# Altium PCB Kasli-DIOT.PCBDOC (part 2 of 21)
Units mm, origin at the board's own origin, x right, y up, seen from the top; angles counter-clockwise.
Board outline 222.34 x 100 mm, 10 copper layers (TopLayer, Layer 2, Layer 3, Layer 4, Layer 5, Layer 6, Layer 7, layer 8, Layer 9, BottomLayer), stack 1.564 mm thick; 974 components, 908 nets, 4662 pads, 2649 vias.
Unrouted connection lines stored in the file: 17.
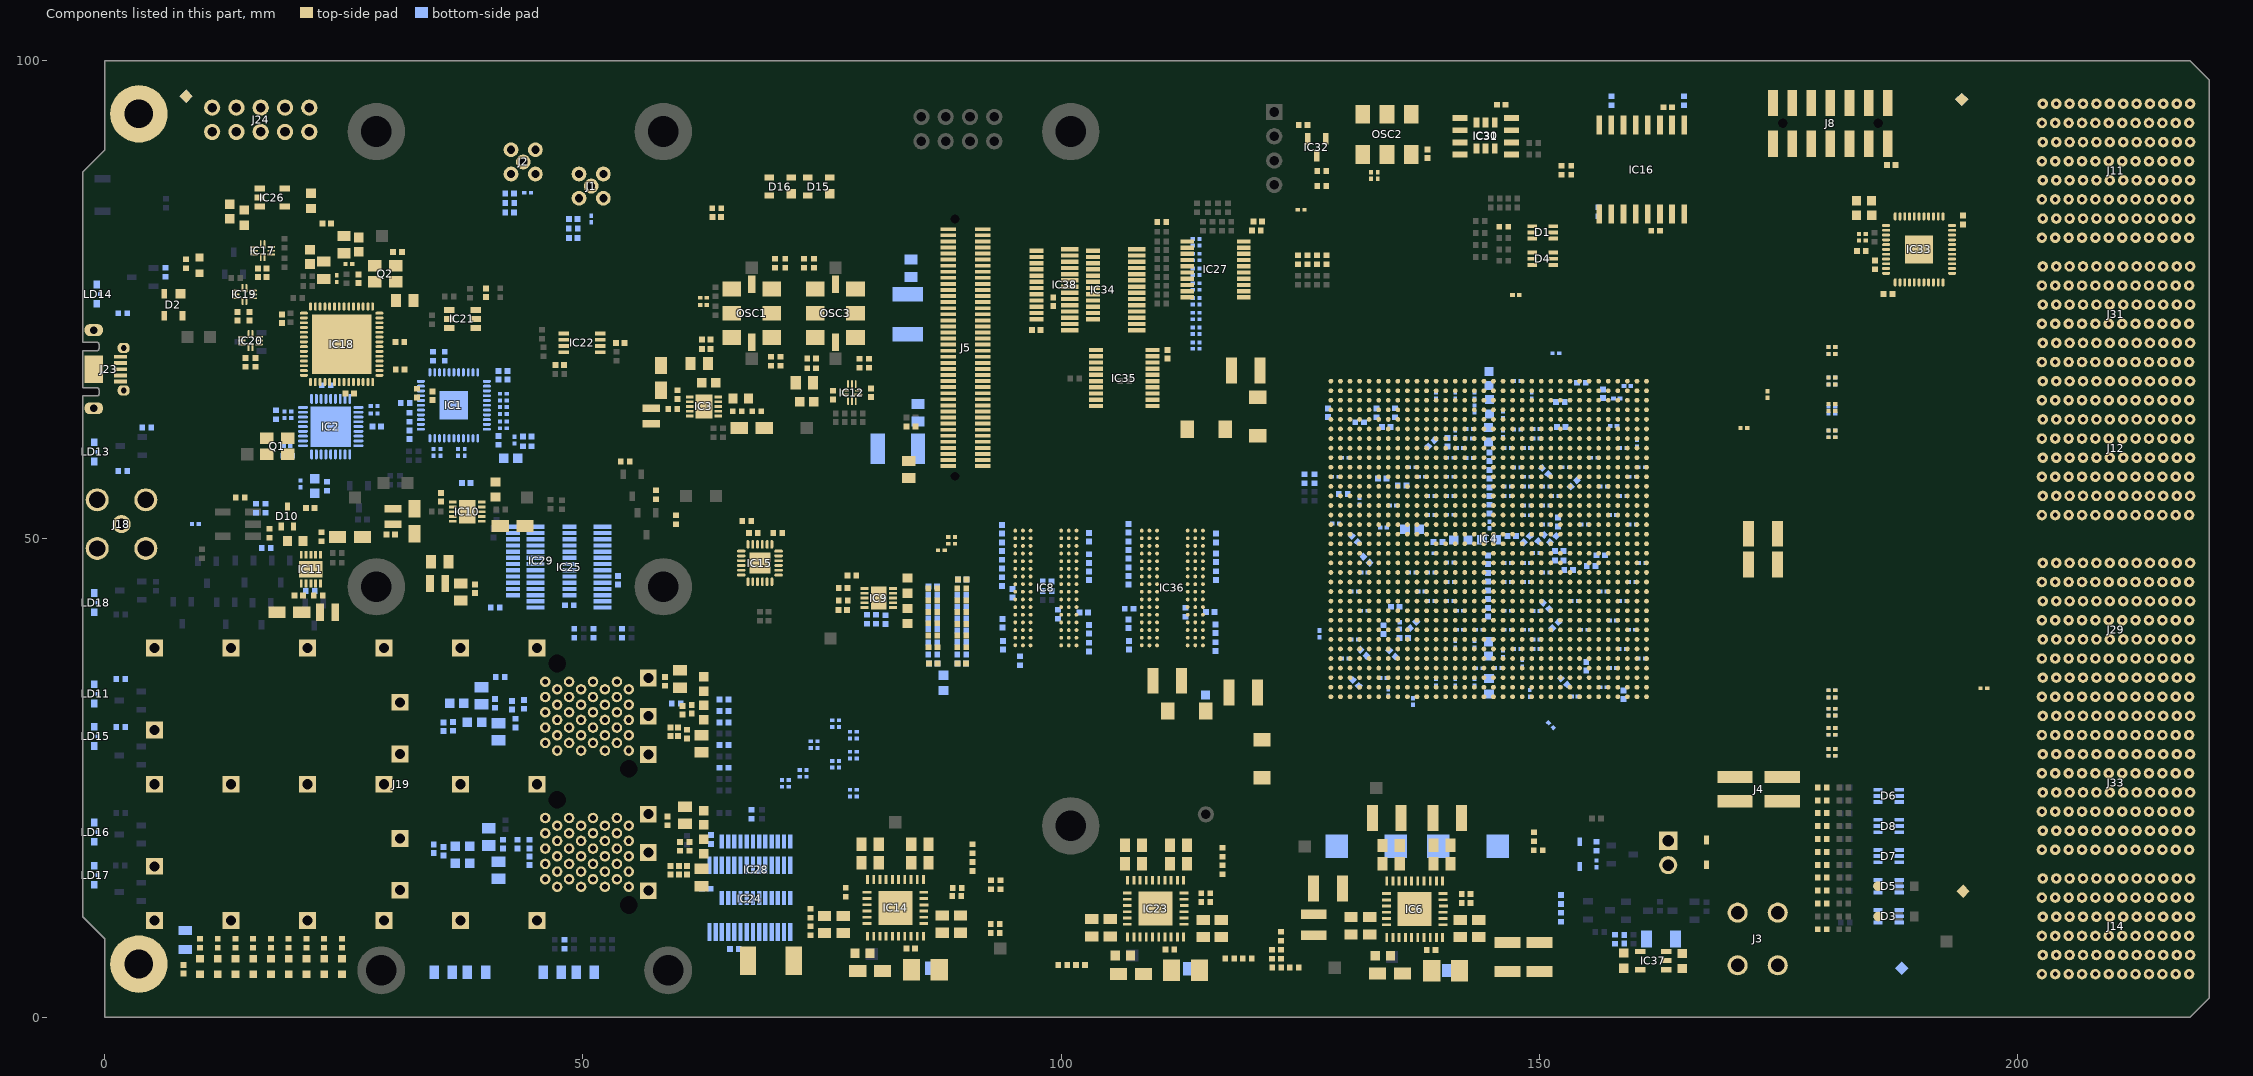
[diagram p10: the components of this part, seen from the top]

## Classes and differential pairs (continued)
differential pair SLOT6.LVDS_9: +SLOT6.LVDS_9_P -SLOT6.LVDS_9_N
differential pair SLOT6.LVDS_8: +SLOT6.LVDS_8_P -SLOT6.LVDS_8_N
differential pair SLOT6.LVDS_7: +SLOT6.LVDS_7_P -SLOT6.LVDS_7_N
differential pair SLOT6.LVDS_6: +SLOT6.LVDS_6_P -SLOT6.LVDS_6_N
differential pair SLOT6.LVDS_5: +SLOT6.LVDS_5_P -SLOT6.LVDS_5_N
differential pair SLOT6.LVDS_4: +SLOT6.LVDS_4_P -SLOT6.LVDS_4_N
differential pair SLOT6.LVDS_3: +SLOT6.LVDS_3_P -SLOT6.LVDS_3_N
differential pair SLOT6.LVDS_2: +SLOT6.LVDS_2_P -SLOT6.LVDS_2_N
differential pair SLOT6.LVDS_1: +SLOT6.LVDS_1_P -SLOT6.LVDS_1_N
differential pair SLOT6.LVDS_0: +SLOT6.LVDS_0_P -SLOT6.LVDS_0_N
differential pair SLOT5.LVDS_15: +SLOT5.LVDS_15_P -SLOT5.LVDS_15_N
differential pair SLOT5.LVDS_14: +SLOT5.LVDS_14_P -SLOT5.LVDS_14_N
differential pair SLOT5.LVDS_13: +SLOT5.LVDS_13_P -SLOT5.LVDS_13_N
differential pair SLOT5.LVDS_12: +SLOT5.LVDS_12_P -SLOT5.LVDS_12_N
differential pair SLOT5.LVDS_11: +SLOT5.LVDS_11_P -SLOT5.LVDS_11_N
differential pair SLOT5.LVDS_10: +SLOT5.LVDS_10_P -SLOT5.LVDS_10_N
differential pair SLOT5.LVDS_9: +SLOT5.LVDS_9_P -SLOT5.LVDS_9_N
differential pair SLOT5.LVDS_8: +SLOT5.LVDS_8_P -SLOT5.LVDS_8_N
differential pair SLOT5.LVDS_7: +SLOT5.LVDS_7_P -SLOT5.LVDS_7_N
differential pair SLOT5.LVDS_6: +SLOT5.LVDS_6_P -SLOT5.LVDS_6_N
differential pair SLOT5.LVDS_5: +SLOT5.LVDS_5_P -SLOT5.LVDS_5_N
differential pair SLOT5.LVDS_4: +SLOT5.LVDS_4_P -SLOT5.LVDS_4_N
differential pair SLOT5.LVDS_3: +SLOT5.LVDS_3_P -SLOT5.LVDS_3_N
differential pair SLOT5.LVDS_2: +SLOT5.LVDS_2_P -SLOT5.LVDS_2_N
differential pair SLOT5.LVDS_1: +SLOT5.LVDS_1_P -SLOT5.LVDS_1_N
differential pair SLOT5.LVDS_0: +SLOT5.LVDS_0_P -SLOT5.LVDS_0_N
differential pair SLOT4.LVDS_15: +SLOT4.LVDS_15_P -SLOT4.LVDS_15_N
differential pair SLOT4.LVDS_14: +SLOT4.LVDS_14_P -SLOT4.LVDS_14_N
differential pair SLOT4.LVDS_13: +SLOT4.LVDS_13_P -SLOT4.LVDS_13_N
differential pair SLOT4.LVDS_12: +SLOT4.LVDS_12_P -SLOT4.LVDS_12_N
differential pair SLOT4.LVDS_11: +SLOT4.LVDS_11_P -SLOT4.LVDS_11_N
differential pair SLOT4.LVDS_10: +SLOT4.LVDS_10_P -SLOT4.LVDS_10_N
differential pair SLOT4.LVDS_9: +SLOT4.LVDS_9_P -SLOT4.LVDS_9_N
differential pair SLOT4.LVDS_8: +SLOT4.LVDS_8_P -SLOT4.LVDS_8_N
differential pair SLOT4.LVDS_7: +SLOT4.LVDS_7_P -SLOT4.LVDS_7_N
differential pair SLOT4.LVDS_6: +SLOT4.LVDS_6_P -SLOT4.LVDS_6_N
differential pair SLOT4.LVDS_5: +SLOT4.LVDS_5_P -SLOT4.LVDS_5_N
differential pair SLOT4.LVDS_4: +SLOT4.LVDS_4_P -SLOT4.LVDS_4_N
differential pair SLOT4.LVDS_3: +SLOT4.LVDS_3_P -SLOT4.LVDS_3_N
differential pair SLOT4.LVDS_2: +SLOT4.LVDS_2_P -SLOT4.LVDS_2_N
differential pair SLOT4.LVDS_1: +SLOT4.LVDS_1_P -SLOT4.LVDS_1_N
differential pair SLOT4.LVDS_0: +SLOT4.LVDS_0_P -SLOT4.LVDS_0_N
differential pair SLOT3.LVDS_15: +SLOT3.LVDS_15_P -SLOT3.LVDS_15_N
differential pair SLOT3.LVDS_14: +SLOT3.LVDS_14_P -SLOT3.LVDS_14_N
differential pair SLOT3.LVDS_13: +SLOT3.LVDS_13_P -SLOT3.LVDS_13_N
differential pair SLOT3.LVDS_12: +SLOT3.LVDS_12_P -SLOT3.LVDS_12_N
differential pair SLOT3.LVDS_11: +SLOT3.LVDS_11_P -SLOT3.LVDS_11_N
differential pair SLOT3.LVDS_10: +SLOT3.LVDS_10_P -SLOT3.LVDS_10_N
differential pair SLOT3.LVDS_9: +SLOT3.LVDS_9_P -SLOT3.LVDS_9_N
differential pair SLOT3.LVDS_8: +SLOT3.LVDS_8_P -SLOT3.LVDS_8_N
differential pair SLOT3.LVDS_7: +SLOT3.LVDS_7_P -SLOT3.LVDS_7_N
differential pair SLOT3.LVDS_6: +SLOT3.LVDS_6_P -SLOT3.LVDS_6_N
differential pair SLOT3.LVDS_5: +SLOT3.LVDS_5_P -SLOT3.LVDS_5_N
differential pair SLOT3.LVDS_4: +SLOT3.LVDS_4_P -SLOT3.LVDS_4_N
differential pair SLOT3.LVDS_3: +SLOT3.LVDS_3_P -SLOT3.LVDS_3_N
differential pair SLOT3.LVDS_2: +SLOT3.LVDS_2_P -SLOT3.LVDS_2_N
differential pair SLOT3.LVDS_1: +SLOT3.LVDS_1_P -SLOT3.LVDS_1_N
differential pair SLOT3.LVDS_0: +SLOT3.LVDS_0_P -SLOT3.LVDS_0_N
differential pair SLOT2.LVDS_15: +SLOT2.LVDS_15_P -SLOT2.LVDS_15_N
differential pair SLOT2.LVDS_14: +SLOT2.LVDS_14_P -SLOT2.LVDS_14_N
differential pair SLOT2.LVDS_13: +SLOT2.LVDS_13_P -SLOT2.LVDS_13_N
differential pair SLOT2.LVDS_12: +SLOT2.LVDS_12_P -SLOT2.LVDS_12_N
differential pair SLOT2.LVDS_11: +SLOT2.LVDS_11_P -SLOT2.LVDS_11_N
differential pair SLOT2.LVDS_10: +SLOT2.LVDS_10_P -SLOT2.LVDS_10_N
differential pair SLOT2.LVDS_9: +SLOT2.LVDS_9_P -SLOT2.LVDS_9_N
differential pair SLOT2.LVDS_8: +SLOT2.LVDS_8_P -SLOT2.LVDS_8_N
differential pair SLOT2.LVDS_7: +SLOT2.LVDS_7_P -SLOT2.LVDS_7_N
differential pair SLOT2.LVDS_6: +SLOT2.LVDS_6_P -SLOT2.LVDS_6_N
differential pair SLOT2.LVDS_5: +SLOT2.LVDS_5_P -SLOT2.LVDS_5_N
differential pair SLOT2.LVDS_4: +SLOT2.LVDS_4_P -SLOT2.LVDS_4_N
differential pair SLOT2.LVDS_3: +SLOT2.LVDS_3_P -SLOT2.LVDS_3_N
differential pair SLOT2.LVDS_2: +SLOT2.LVDS_2_P -SLOT2.LVDS_2_N
differential pair SLOT2.LVDS_1: +SLOT2.LVDS_1_P -SLOT2.LVDS_1_N
differential pair SLOT2.LVDS_0: +SLOT2.LVDS_0_P -SLOT2.LVDS_0_N
differential pair SLOT1.LVDS_15: +SLOT1.LVDS_15_P -SLOT1.LVDS_15_N
differential pair SLOT1.LVDS_14: +SLOT1.LVDS_14_P -SLOT1.LVDS_14_N
differential pair SLOT1.LVDS_13: +SLOT1.LVDS_13_P -SLOT1.LVDS_13_N
differential pair SLOT1.LVDS_12: +SLOT1.LVDS_12_P -SLOT1.LVDS_12_N
differential pair SLOT1.LVDS_11: +SLOT1.LVDS_11_P -SLOT1.LVDS_11_N
differential pair SLOT1.LVDS_10: +SLOT1.LVDS_10_P -SLOT1.LVDS_10_N
differential pair SLOT1.LVDS_9: +SLOT1.LVDS_9_P -SLOT1.LVDS_9_N
differential pair SLOT1.LVDS_8: +SLOT1.LVDS_8_P -SLOT1.LVDS_8_N
differential pair SLOT1.LVDS_7: +SLOT1.LVDS_7_P -SLOT1.LVDS_7_N
differential pair SLOT1.LVDS_6: +SLOT1.LVDS_6_P -SLOT1.LVDS_6_N
differential pair SLOT1.LVDS_5: +SLOT1.LVDS_5_P -SLOT1.LVDS_5_N
differential pair SLOT1.LVDS_4: +SLOT1.LVDS_4_P -SLOT1.LVDS_4_N
differential pair SLOT1.LVDS_3: +SLOT1.LVDS_3_P -SLOT1.LVDS_3_N
differential pair SLOT1.LVDS_2: +SLOT1.LVDS_2_P -SLOT1.LVDS_2_N
differential pair SLOT1.LVDS_1: +SLOT1.LVDS_1_P -SLOT1.LVDS_1_N
differential pair SLOT1.LVDS_0: +SLOT1.LVDS_0_P -SLOT1.LVDS_0_N
differential pair MGTC8_Tx: +MGTC8_Tx_P -MGTC8_Tx_N
differential pair MGTC8_Rx: +MGTC8_Rx_P -MGTC8_Rx_N
differential pair MGTC7_Tx: +MGTC7_Tx_P -MGTC7_Tx_N
differential pair MGTC7_Rx: +MGTC7_Rx_P -MGTC7_Rx_N
differential pair MGTC6_Tx: +MGTC6_Tx_P -MGTC6_Tx_N
differential pair MGTC6_Rx: +MGTC6_Rx_P -MGTC6_Rx_N
differential pair MGTC5_Tx: +MGTC5_Tx_P -MGTC5_Tx_N
differential pair MGTC5_Rx: +MGTC5_Rx_P -MGTC5_Rx_N
differential pair MGTC4_Tx: +MGTC4_Tx_P -MGTC4_Tx_N
differential pair MGTC4_Rx: +MGTC4_Rx_P -MGTC4_Rx_N
differential pair MGTC3_Tx: +MGTC3_Tx_P -MGTC3_Tx_N
differential pair MGTC3_Rx: +MGTC3_Rx_P -MGTC3_Rx_N
differential pair MGTC2_Tx: +MGTC2_Tx_P -MGTC2_Tx_N
differential pair MGTC2_Rx: +MGTC2_Rx_P -MGTC2_Rx_N
differential pair MGTC1_Tx: +MGTC1_Tx_P -MGTC1_Tx_N
differential pair MGTC1_Rx: +MGTC1_Rx_P -MGTC1_Rx_N
differential pair MGT8_Tx: +MGT8_Tx_P -MGT8_Tx_N
differential pair MGT8_RxC: +MGT8_RxC_P -MGT8_RxC_N
differential pair MGT7_Tx: +MGT7_Tx_P -MGT7_Tx_N
differential pair MGT7_RxC: +MGT7_RxC_P -MGT7_RxC_N
differential pair MGT6_Tx: +MGT6_Tx_P -MGT6_Tx_N
differential pair MGT6_RxC: +MGT6_RxC_P -MGT6_RxC_N
differential pair MGT5_Tx: +MGT5_Tx_P -MGT5_Tx_N
differential pair MGT5_RxC: +MGT5_RxC_P -MGT5_RxC_N
differential pair MGT4_Tx: +MGT4_Tx_P -MGT4_Tx_N
differential pair MGT4_RxC: +MGT4_RxC_P -MGT4_RxC_N
differential pair MGT3_Tx: +MGT3_Tx_P -MGT3_Tx_N
differential pair MGT3_RxC: +MGT3_RxC_P -MGT3_RxC_N
differential pair MGT2_Tx: +MGT2_Tx_P -MGT2_Tx_N
differential pair MGT2_RxC: +MGT2_RxC_P -MGT2_RxC_N
differential pair MGT1_Tx: +MGT1_Tx_P -MGT1_Tx_N
differential pair MGT1_RxC: +MGT1_RxC_P -MGT1_RxC_N
differential pair DDR_DQS3: +DDR_DQS3_P -DDR_DQS3_N
differential pair DDR_DQS2: +DDR_DQS2_P -DDR_DQS2_N
differential pair DDR_DQS1: +DDR_DQS1_P -DDR_DQS1_N
differential pair DDR_DQS0: +DDR_DQS0_P -DDR_DQS0_N
differential pair DDR_CK: +DDR_CK_P -DDR_CK_N
differential pair 8_PE_CLK: +8_PE_CLK_P -8_PE_CLK_N
differential pair 7_PE_CLK: +7_PE_CLK_P -7_PE_CLK_N
differential pair 6_PE_CLK: +6_PE_CLK_P -6_PE_CLK_N
differential pair 5_PE_CLK: +5_PE_CLK_P -5_PE_CLK_N
differential pair 4_PE_CLK: +4_PE_CLK_P -4_PE_CLK_N
differential pair 3_PE_CLK: +3_PE_CLK_P -3_PE_CLK_N
differential pair 2_PE_CLK: +2_PE_CLK_P -2_PE_CLK_N
differential pair 1_PE_CLK: +1_PE_CLK_P -1_PE_CLK_N
differential pair SFP3_TD: +SFP3_TD_P -SFP3_TD_N
differential pair SFP3_RD: +SFP3_RD_P -SFP3_RD_N
differential pair SFP2_TD: +SFP2_TD_P -SFP2_TD_N
differential pair SFP2_RD: +SFP2_RD_P -SFP2_RD_N
differential pair SFP1_TD: +SFP1_TD_P -SFP1_TD_N
differential pair SFP1_RD: +SFP1_RD_P -SFP1_RD_N
differential pair SFP0_TD: +SFP0_TD_P -SFP0_TD_N
differential pair SFP0_RD: +SFP0_RD_P -SFP0_RD_N
differential pair Helper_DCXO: +Helper_DCXO_P -Helper_DCXO_N
differential pair CK_FPGAIO: +CK_FPGAIO_P -CK_FPGAIO_N
differential pair Main_DCXO: +Main_DCXO_P -Main_DCXO_N
differential pair Main_DCXO_C: +Main_DCXO_C_P -Main_DCXO_C_N
differential pair CK_GTP_125: +CK_GTP_125_P -CK_GTP_125_N
differential pair CKI_GTP: +CKI_GTP_P -CKI_GTP_N
differential pair CKI_FPGAIO: +CKI_FPGAIO_P -CKI_FPGAIO_N
differential pair CKIN0: +CKIN0_P -CKIN0_N
differential pair CLKREC: +CLKREC_P -CLKREC_N
differential pair USB_D_R: +USB_D_R_P -USB_D_R_N
differential pair CK_GTP: +CK_GTP_P -CK_GTP_N
differential pair CKOUT_D_1: +CKOUT_D_1_P -CKOUT_D_1_N
differential pair CKOUT_1: +CKOUT_1_P -CKOUT_1_N

## Components (designator, comment, footprint, x,y, rotation, side; value= is the part's Value field where it differs from the comment)
B28 "SMD Pad" C100 185.425,10.525 r90 top
B29 "SMD Pad" C100 185.4,13.7 r90 top
C1 "100nF" CAPC0603X33N#1 19.14,62.654 r0 bottom
C2 "100nF" CAPC0603X33N#1 19.14,63.341 r0 bottom
C3 "22uF" CAPC2012X135N 37.232,44.443 r90 top
C4 "100nF" CAPC0603X33N#1 36.937,59.05 r270 bottom
C5 "100nF" CAPC0603X33N#1 41.667,63.076 r0 bottom
C6 "100nF" CAPC0603X33N#1 37.637,59.05 r270 bottom
C7 "100nF" CAPC0603X33N#1 28.175,63.9 r0 bottom
C8 "100nF" CAPC0603X33N#1 34.371,59.05 r270 bottom
C9 "22uF" CAPMP3216X180N 58.15,66.85 r90 top
C10 "100nF" CAPC0603X33N#1 28.175,63.125 r0 bottom
C11 "100nF" CAPC0603X33N#1 35.096,59.05 r270 bottom
C12 "4.7uF" CAPC1005X55N 59.9,65.1 r270 top
C13 "22uF" CAPMP3216X180N 19.3,42.337 r180 top
C14 "100nF" CAPC0603X33N#1 41.667,63.782 r0 bottom
C15 "4.7uF" CAPC1005X55N 20.3,44.087 r0 top
C16 "22uF" CAPC1709X100N 66.5,64.7 r180 top
C17 "22uF" CAPC1709X100N 19.925,49.8 r0 top
C18 "22uF" CAPC2012X135N 35.025,47.6 r180 top
C19 "22uF" CAPMP3216X180N 67.65,61.6 r0 top
C20 "100nF" CAPC0603X33N#1 50.875,83.45 r90 bottom
C21 "100nF" CAPC0603X33N#1 44.225,86.2 r180 bottom
C22 "22uF" CAPC2012X135N 85.366,5.116 r180 bottom
C23 "1nF" CAPC1005X55N 19.15,58.7 r0 bottom
C24 "1uF" CAPC1005X55N 28.448,61.749 r180 bottom
C25 "100nF" CAPC0603X33N#1 19.05,59.717 r0 bottom
C26 "100nF" CAPC0603X33N#1 20.47,55.767 r90 bottom
C27 "22uF" CAPC2012X135N 139.45,4.875 r180 bottom
C28 "100nF" CAPC1005X55N 80.125,65.3 r270 top
C29 "100nF" CAPC1005X55N 76.125,65.05 r90 top
C30 "33uF" CAPMP3528X210N 140.2,4.874 r0 top
C31 "4.7uF" CAPC1005X55N 127.9,63.2 r270 bottom
C32 "10uF" CAPMP3216X180N 134.375,4.55 r180 top
C33 "4.7uF" CAPC1005X55N 158.8,33.7 r270 bottom
C34 "4.7uF" CAPC1005X55N 154.9,36.7 r90 bottom
C35 "4.7uF" CAPC1005X55N 133.562,56.325 r180 bottom
C36 "100nF" CAPC1005X55N 138.675,7.025 r180 top
C37 "4.7uF" CAPC1005X55N 131.2,62.2 r180 bottom
C38 "100nF" CAPC1005X55N 29.9,50.475 r0 top
C39 "4.7uF" CAPC1005X55N 134,61.7 r0 bottom
C40 "22uF" CAPC2012X135N 112.35,5.05 r180 bottom
C41 "100nF" CAPC0603X33N#1 114.109,71.429 r0 bottom
C42 "22uF" CAPC2012X135N 134.5,16.025 r0 top
C43 "10nF" CAPC1005X55N 49,81.474 r0 bottom
C44 "10nF" CAPC1005X55N 49,83.475 r0 bottom
C45 "22uF" CAPMP3216X180N 25.65,50.225 r0 top
C46 "10nF" CAPC1005X55N 42.325,84.124 r0 bottom
C47 "10nF" CAPC1005X55N 42.325,86.125 r0 bottom
C48 "22uF" CAPC2012X135N 139.824,16.033 r180 top
C49 "100nF" CAPC1005X55N 34.281,64.99 r270 top
C50 "22uF" CAPC1608X90N 115.075,32.925 r270 bottom
C51 "100nF" CAPC0603X33N#1 144.796,51.455 r90 bottom
C52 "100nF" CAPC1005X55N 186.776,89.081 r180 top
C53 "100nF" CAPC1005X55N 63.995,83.645 r180 top
C54 "100nF" CAPC0603X33N#1 114.109,74.517 r180 bottom
C55 "470nF" CAPC0603X33N#1 138.7,54.5 r0 bottom
C56 "100uF" CAPC3225X270N 146.674,6.29 r90 top
C57 "4.7uF" CAPC1005X55N 135.642,55.602 r0 bottom
C58 "4.7uF" CAPC1005X55N 152.3,61.7 r0 bottom
C59 "4.7uF" CAPC1005X55N 155.4,47.175 r180 bottom
C60 "470nF" CAPC0603X33N#1 157.7,36.5 r0 bottom
C61 "470nF" CAPC0603X33N#1 160.7,37.5 r0 bottom
C62 "470nF" CAPC0603X33N#1 133.7,51.2 r0 bottom
C63 "100nF" CAPC0603X33N#1 180.575,28.05 r0 top
C64 "470nF" CAPC0603X33N#1 155.75,58.5 r180 bottom
C65 "100uF" CAPC3225X270N 173.375,47.315 r180 top
C66 "4.7uF" CAPC1005X55N 151.67,40.985 r45 bottom
C67 "4.7uF" CAPC1005X55N 153.6,55.8 r225 bottom
C68 "470nF" CAPC0603X33N#1 134.7,53.5 r180 bottom
C69 "470nF" CAPC0603X33N#1 157.7,52.5 r180 bottom
C70 "100nF" CAPC0603X33N#1 180.575,27.325 r0 top
C71 "100nF" CAPC0603X33N#1 180.575,30.225 r0 top
C72 "100nF" CAPC0603X33N#1 180.575,29.525 r0 top
C73 "100nF" CAPC0603X33N#1 180.575,32.25 r0 top
C74 "100nF" CAPC0603X33N#1 180.575,34.175 r0 top
C75 "470nF" CAPC0603X33N#1 160.7,57.5 r0 bottom
C76 "470nF" CAPC0603X33N#1 153.7,43.5 r180 bottom
C77 "100nF" CAPC0603X33N#1 114.109,72.101 r0 bottom
C78 "4.7uF" CAPC1005X55N 156.4,48.3 r0 bottom
C79 "4.7uF" CAPC1005X55N 132.975,63.175 r90 bottom
C80 "470nF" CAPC0603X33N#1 131.2,53.95 r270 bottom
C81 "470nF" CAPC0603X33N#1 160.2,60 r90 bottom
C82 "470nF" CAPC0603X33N#1 129.7,58.5 r180 bottom
C83 "470nF" CAPC0603X33N#1 156.7,44.5 r180 bottom
C84 "100uF" CAPC3225X270N 173.375,50.54 r180 top
C85 "4.7uF" CAPC1005X55N 152.2,64.3 r0 bottom
C86 "4.7uF" CAPC1005X55N 136.8,41 r45 bottom
C87 "470nF" CAPC0603X33N#1 158.75,54.5 r0 bottom
C88 "470nF" CAPC0603X33N#1 159.75,51.5 r0 bottom
C89 "470nF" CAPC0603X33N#1 156.75,55.5 r180 bottom
C90 "470nF" CAPC0603X33N#1 158.75,59.5 r180 bottom
C91 "330uF" CAPMP7343X190N 131.9,17.875 r180 bottom
C92 "4.7uF" CAPC1005X55N 130.7,50 r315 bottom
C93 "4.7uF" CAPC1005X55N 138.7,60 r225 bottom
C94 "4.7uF" CAPC1005X55N 152.575,35.1 r315 bottom
C95 "470nF" CAPC0603X33N#1 140.7,54.5 r0 bottom
C96 "4.7uF" CAPC1005X55N 130.8,34.95 r135 bottom
C97 "470nF" CAPC0603X33N#1 148.2,37 r270 bottom
C98 "470nF" CAPC0603X33N#1 138.7,43.5 r0 bottom
C99 "470nF" CAPC0603X33N#1 148.725,53.5 r180 bottom
C100 "100nF" CAPC0603X33N#1 114.109,75.189 r180 bottom
C101 "22uF" CAPC1709X100N 144.752,34.6 r90 bottom
C102 "470nF" CAPC0603X33N#1 141.7,42.5 r0 bottom
C103 "470nF" CAPC0603X33N#1 140.7,56.5 r0 bottom
C104 "470nF" CAPC0603X33N#1 140.7,52.525 r0 bottom
C105 "470nF" CAPC0603X33N#1 146.7,47.5 r180 bottom
C106 "470nF" CAPC0603X33N#1 146.7,42.5 r180 bottom
C107 "470nF" CAPC0603X33N#1 146.7,45.5 r180 bottom
C108 "470nF" CAPC0603X33N#1 146.7,54.5 r180 bottom
C109 "4.7uF" CAPC1005X55N 134.625,38.025 r315 bottom
C110 "4.7uF" CAPC1005X55N 144.65,44.175 r90 bottom
C111 "4.7uF" CAPC1005X55N 144.65,42.35 r90 bottom
C112 "100nF" CAPC0603X33N#1 143.7,36.475 r180 bottom
C113 "100nF" CAPC0603X33N#1 149.7,38.5 r0 bottom
C114 "100nF" CAPC0603X33N#1 141.2,35 r90 bottom
C115 "100nF" CAPC0603X33N#1 143.2,35 r270 bottom
C116 "100nF" CAPC0603X33N#1 139.2,35 r90 bottom
C117 "470nF" CAPC0603X33N#1 138.7,52.5 r0 bottom
C118 "470nF" CAPC0603X33N#1 138.6,48.5 r0 bottom
C119 "470nF" CAPC0603X33N#1 138.7,46.5 r0 bottom
C120 "100nF" CAPC0603X33N#1 148.7,52.475 r180 bottom
C121 "470nF" CAPC0603X33N#1 148.7,45.5 r180 bottom
C122 "100nF" CAPC0603X33N#1 148.7,47.5 r180 bottom
C123 "4.7uF" CAPC1005X55N 150.7,43 r135 bottom
C124 "4.7uF" CAPC1005X55N 150.6,57.1 r135 bottom
C125 "470nF" CAPC0603X33N#1 137.725,56.5 r0 bottom
C126 "470nF" CAPC0603X33N#1 159.712,45.5 r180 bottom
C127 "470nF" CAPC0603X33N#1 154.75,51.5 r180 bottom
C128 "470nF" CAPC0603X33N#1 158.75,43.5 r0 bottom
C129 "100uF" CAPC3225X270N 119.3,67.625 r0 top
C130 "22uF" CAPC2012X135N 134.5,17.95 r0 top
C131 "22uF" CAPC2012X135N 139.824,17.958 r180 top
C132 "22uF" CAPC2012X135N 141.725,9.273 r270 top
C133 "22uF" CAPC2012X135N 143.675,9.273 r270 top
C134 "4.7uF" CAPC1005X55N 144.65,46 r90 bottom
C135 "4.7uF" CAPC1005X55N 144.775,54.95 r270 bottom
C136 "470nF" CAPC0603X33N#1 160.75,47.5 r0 bottom
C137 "22uF" CAPC2012X135N 130.3,9.55 r270 top
C138 "470nF" CAPC0603X33N#1 136.7,57.5 r180 bottom
C139 "470nF" CAPC0603X33N#1 159.685,40.5 r0 bottom
C140 "470nF" CAPC0603X33N#1 154.688,40.5 r180 bottom
C141 "100nF" CAPC0603X33N#1 114.109,69.886 r0 bottom
C142 "100nF" CAPC0603X33N#1 180.575,60.633 r0 top
C143 "4.7uF" CAPC1005X55N 147.125,50.3 r180 bottom
C144 "22uF" CAPC2012X135N 132.25,9.55 r270 top
C145 "4.7uF" CAPC1005X55N 148.675,49.975 r45 bottom
C146 "470nF" CAPC0603X33N#1 158.7,38.5 r180 bottom
C147 "470nF" CAPC0603X33N#1 156.7,34.5 r180 bottom
C148 "470nF" CAPC0603X33N#1 151.65,54.5 r0 bottom
C149 "470nF" CAPC0603X33N#1 159.75,56.5 r180 bottom
C150 "100uF" CAPC3225X270N 111.1,35.175 r0 top
C151 "4.7uF" CAPC1005X55N 151.425,49.975 r45 bottom
C152 "4.7uF" CAPC1005X55N 150.175,50.1 r45 bottom
C153 "470nF" CAPC0603X33N#1 136.7,46.5 r180 bottom
C154 "470nF" CAPC0603X33N#1 131.7,42.5 r180 bottom
C155 "470nF" CAPC0603X33N#1 130.7,39.5 r0 bottom
C156 "470nF" CAPC0603X33N#1 130.7,44.5 r180 bottom
C157 "100nF" CAPC0603X33N#1 114.109,76.061 r180 bottom
C158 "4.7uF" CAPC1005X55N 152.075,47.75 r180 bottom
C159 "100nF" CAPC0603X33N#1 155.975,16.025 r270 bottom
C160 "100nF" CAPC1005X55N 61.15,17.85 r90 top
C161 "100nF" CAPC1005X55N 163.406,95.136 r0 top
C162 "100nF" CAPC1005X55N 78.125,46.175 r0 top
C163 "100nF" CAPC1005X55N 131.925,47.825 r315 bottom
C164 "10nF" CAPC1005X55N 93.825,45.55 r270 bottom
C165 "10nF" CAPC1005X55N 115.6,42.375 r180 bottom
C166 "10nF" CAPC1005X55N 107.054,45.675 r270 bottom
C167 "10nF" CAPC1005X55N 135.811,39.659 r180 bottom
C168 "100nF" CAPC1005X55N 131.6,38.1 r135 bottom
C169 "100nF" CAPC1005X55N 102.35,42.325 r180 bottom
C170 "4.7uF" CAPC1005X55N 116.175,50.1 r270 bottom
C171 "470nF" CAPC1005X55N 102.9,50.175 r270 bottom
C172 "1uF" CAPC1005X55N 77.169,42.575 r0 top
C173 "22uF" CAPC1709X100N 87.719,34.95 r90 bottom
C174 "22uF" CAPC1709X100N 83.936,45.121 r270 top
C175 "10nF" CAPC1005X55N 81.619,41.575 r90 bottom
C176 "22uF" CAPC1709X100N 83.936,41.942 r90 top
C177 "100nF" CAPC1005X55N 77.194,44.875 r0 top
C178 "1uF" CAPC1005X55N 35.4,30.35 r90 bottom
C179 "10uF" CAPC2012X95N 39.4,33.6 r270 bottom
C180 "1uF" CAPC1005X55N 40.8,32.8 r270 bottom
C181 "100nF" CAPC1005X55N 43.825,32.7 r270 bottom
C182 "100nF" CAPC1005X55N 42.6,32.6 r270 bottom
C183 "100nF" CAPC1005X55N 42.95,30.75 r90 bottom
C184 "10uF" CAPC2012X95N 41.15,29.85 r90 bottom
C185 "100nF" CAPC1005X55N 36.425,30.4 r90 bottom
C186 "100nF" CAPC1005X55N 111.101,69.303 r90 top
C187 "1uF" CAPC1608X87N 133.64,6.44 r0 top
C188 "100nF" CAPC0603X33N#1 62.603,75.229 r180 top
C189 "100nF" CAPC0603X33N#1 62.603,74.479 r180 top
C190 "1uF" CAPC1005X55N 41.175,60.3 r90 bottom
C191 "100nF" CAPC1005X55N 31.875,60.9 r90 bottom
C192 "100nF" CAPC1005X55N 97.381,71.852 r0 top
C193 "100nF" CAPC1005X55N 120.416,82.239 r180 top
C194 "22uF" CAPC2012X135N 80.025,16.15 r0 top
C195 "22uF" CAPC2012X135N 85.225,18.075 r180 top
C196 "100nF" CAPC1005X55N 125.29,93.262 r0 top
C197 "100nF" CAPC1005X55N 65.841,7.119 r0 bottom
C198 "100nF" CAPC1005X55N 67.828,50.642 r0 top
C199 "100nF" CAPC1005X55N 38.732,44.793 r90 top
C200 "100nF" CAPC0603X33N#1 151.2,30.525 r315 bottom
C201 "100nF" CAPC0603X33N#1 151.725,69.425 r0 bottom
C202 "10uF" CAPC1608X87N 14.6,83.6 r90 top
C203 "100nF" CAPC0603X33N#2 147.55,75.498 r180 top
C204 "100nF" CAPC1005X55N 162.15,82.225 r0 top
C205 "22uF" CAPC1709X100N 21.575,85.35 r270 top
C206 "4.7uF" CAPC2012X135N 31.369,74.93 r180 top
C207 "22pF" CAPC1005X55N 30.607,80.01 r180 top
C208 "22pF" CAPC1005X55N 26.543,77.216 r270 top
C209 "4.7uF" CAPC2012X135N 25.019,80.772 r270 top
C210 "100nF" CAPC0603X33N#1 25.527,78.74 r0 top
C211 "4.7uF" CAPC2012X135N 22.9,78.1 r270 top
C212 "100nF" CAPC0603X33N#1 24.257,77.216 r270 top
C213 "100nF" CAPC1005X55N 23.225,83 r180 top
C214 "100nF" CAPC1005X55N 15.748,68.453 r90 top
C215 "100nF" CAPC1005X55N 15.113,73.279 r90 top
C216 "100nF" CAPC1005X55N 39.879,75.75 r270 top
C217 "100nF" CAPC1005X55N 16.002,77.851 r90 top
C218 "100nF" CAPC1005X55N 14.732,68.453 r90 top
C219 "100nF" CAPC1005X55N 13.875,73.275 r90 top
C220 "100nF" CAPC1005X55N 47.582,68.183 r0 top
C221 "100nF" CAPC1005X55N 53.9,70.475 r180 top
C222 "100nF" CAPC1005X55N 30.861,70.612 r180 top
C223 "100nF" CAPC1005X55N 18.542,73.025 r270 top
C224 "100nF" CAPC1005X55N 30.875,67.725 r180 top
C225 "22uF" CAPMP3216X180N 32.4,51.85 r270 top
C226 "1nF" CAPC1005X55N 62.9,70.85 r0 top
C227 "100nF" CAPC1005X55N 53.659,45.7 r90 bottom
C228 "100nF" CAPC0603X33N#1 9.475,51.548 r0 bottom
C229 "100nF" CAPC0603X33N#1 180.575,63.39 r0 top
C230 "100nF" CAPC0603X33N#1 180.575,31.525 r0 top
C231 "100nF" CAPC0603X33N#1 180.575,33.425 r0 top
C232 "100nF" CAPC0603X33N#1 180.575,61.35 r0 top
C233 "100nF" CAPC0603X33N#1 180.575,64.1 r0 top
C234 "100nF" CAPC1005X55N 42.1,67.112 r270 bottom
C235 "47uF" CAPC3225X270N 127.906,13.443 r180 top
C236 "100nF" CAPC0603X33N#1 132.39,88 r270 top
C237 "100nF" CAPC0603X33N#1 133.098,88 r270 top
C238 "10nF" CAPC1005X55N 138.305,90.283 r270 top
C239 "100nF" CAPC1005X55N 44.185,60.692 r180 bottom
C240 "4.7uF" CAPC1005X55N 153.049,46.771 r180 bottom
C241 "100nF" CAPC1005X55N 44.185,59.692 r180 bottom
C242 "470nF" CAPC0603X33N#1 42.825,60.325 r90 bottom
C243 "22pF" CAPC1005X55N 41.16,67.112 r270 bottom
C244 "1uF" CAPC1005X55N 60.15,17.85 r90 top
C245 "100nF" CAPC0603X33N#1 125.1,84.425 r180 top
C246 "100nF" CAPC0603X33N#1 74.165,28.843 r0 bottom
C247 "100nF" CAPC0603X33N#1 74.165,28.143 r0 bottom
C248 "100nF" CAPC0603X33N#1 78.275,23.787 r0 bottom
C249 "100nF" CAPC0603X33N#1 78.275,23.074 r0 bottom
C250 "100nF" CAPC0603X33N#1 71.165,24.8 r0 bottom